# Allegro board SG2042_EVB_V1_1.brd (continued)
## Routing (per net, layer and track width the routed paths; a pad name or vN(x,y) marks a point on that pad's centre or on a via; arc(x,y) is an arc through that point) (continued)
DDR2_ECC_DQ0: length 69.9
  TOP w0.16: U1.AV4 v1(112.97,96.15)
  BOTTOM w0.089: 88.87,123.7 89.02,123.56 89.21,123.56 99.37,113.4 99.37,102.49 104.62,97.23 109.25,97.23 109.7,96.77 112.35,96.77 v1(112.97,96.15)
  BOTTOM w0.16: 88.87,123.7 86.49,126.09 86.49,127 84.38,129.11 81.54,129.11 81.27,128.83 80.98,128.83 arc(80.72,128.88) 80.5,129.03 80.08,129.45 arc(79.82,129.62) 79.52,129.68 78.97,129.68 arc(78.67,129.62) 78.41,129.45 78.03,129.07 arc(77.77,128.89) 77.46,128.83 77.18,128.83 arc(76.92,128.88) 76.7,129.03 76.28,129.45 arc(76.02,129.62) 75.72,129.68 74.13,129.68 arc(73.82,129.62) 73.56,129.45 73.3,129.19 arc(73.04,129.02) 72.74,128.96 72.45,128.96 arc(72.28,128.92) 72.14,128.82 72.11,128.8 arc(71.97,128.71) 71.8,128.67 71.54,128.67 arc(71.23,128.61) 70.98,128.44 70.59,128.06 arc(70.33,127.88) 70.03,127.82 69.64,127.82 arc(69.33,127.88) 69.08,128.06 68.69,128.44 arc(68.43,128.61) 68.13,128.67 J3.49
DDR2_ECC_DQ1: length 63.1
  TOP w0.16: U1.AV2 v1(110.97,96.15)
  BOTTOM w0.114: v1(110.97,96.15) 110.59,96.53 109.54,96.53 109.21,96.86 104.47,96.86 99,102.33 99,113.25 89.06,123.19 88.36,123.19
  BOTTOM w0.16: 88.36,123.19 85.53,126.02 85.53,126.25 85.77,126.48 85.77,126.7 85.48,126.99 85.26,126.99 85.02,126.75 84.8,126.75 84.51,127.04 84.51,127.26 84.75,127.5 84.75,127.72 84.46,128.01 84.24,128.01 84.01,127.77 83.78,127.77 83.24,128.31 81.47,128.31 81.27,128.51 80.85,128.51 arc(80.54,128.57) 80.28,128.75 79.87,129.16 arc(79.65,129.31) 79.39,129.36 79.11,129.36 arc(78.8,129.3) 78.54,129.13 78.16,128.75 arc(77.9,128.57) 77.59,128.51 77.05,128.51 arc(76.74,128.57) 76.48,128.75 76.07,129.16 arc(75.85,129.31) 75.59,129.36 74.7,129.36 arc(74.39,129.3) 74.13,129.13 73.33,128.33 arc(73.07,128.15) 72.77,128.09 72.24,128.09 arc(71.88,128.02) J3.194
DDR2_ECC_DQ2: length 64
  TOP w0.16: U1.BA2 v1(110.97,93.15)
  BOTTOM w0.089: 93.22,111.91 93.46,111.91 95.55,109.83 95.55,100.6 102.95,93.2 108.95,93.2 109.27,93.52 110.6,93.52 v1(110.97,93.15)
  BOTTOM w0.16: 93.22,111.91 93.01,112.12 91.5,112.12 83.99,119.63 83.99,121.14 82.83,122.3 81.6,122.3 81.33,122.03 80.94,122.03 arc(80.72,122.08) 80.52,122.2 80.08,122.65 arc(79.82,122.82) 79.52,122.88 78.97,122.88 arc(78.67,122.82) 78.41,122.65 78.03,122.27 arc(77.77,122.09) 77.46,122.03 77.18,122.03 arc(76.92,122.08) 76.7,122.23 76.28,122.65 arc(76.02,122.82) 75.72,122.88 73.94,122.88 arc(73.63,122.82) 73.37,122.65 72.99,122.27 arc(72.73,122.09) 72.43,122.03 71.43,122.03 arc(71.12,122.09) 70.86,122.27 70.64,122.49 arc(70.38,122.66) 70.08,122.72 J3.56
DDR2_ECC_DQ3: length 61.1
  TOP w0.16: U1.BA1 v1(109.97,93.15)
  BOTTOM w0.114: v1(109.97,93.15) 109.3,93.15 108.98,92.83 102.8,92.83 95.18,100.45 95.18,109.68 93.45,111.4 92.71,111.4
  BOTTOM w0.16: J3.201 70.08,121.78 arc(70.15,121.73) 70.24,121.71 73.2,121.71 arc(73.5,121.77) 73.76,121.95 74.14,122.33 arc(74.4,122.5) 74.71,122.56 75.59,122.56 arc(75.85,122.51) 76.07,122.36 76.48,121.95 arc(76.74,121.77) 77.05,121.71 77.59,121.71 arc(77.9,121.77) 78.16,121.95 78.54,122.33 arc(78.8,122.5) 79.11,122.56 79.39,122.56 arc(79.65,122.51) 79.87,122.36 80.28,121.95 arc(80.54,121.77) 80.85,121.71 81.27,121.71 81.49,121.49 82.63,121.49 83.27,120.84 83.27,119.34 89.96,112.65 89.96,112.42 89.76,112.22 89.76,112 90.04,111.71 90.26,111.71 90.47,111.92 90.69,111.92 91.2,111.4 92.71,111.4
DDR2_ECC_DQ4: length 71.7
  TOP w0.16: U1.AU3 v1(111.97,97.15)
  BOTTOM w0.114: v1(111.97,97.15) 111.37,97.75 109.05,97.75 108.85,97.95 104.93,97.95 100.09,102.79 100.09,113.7 89.89,123.9 89.89,124.72
  BOTTOM w0.16: 89.89,124.72 89.89,127.13 86.29,130.73 83.4,130.73 83.24,130.89 83.24,131.34 83.08,131.5 82.68,131.5 82.52,131.34 82.52,130.89 82.36,130.73 81.47,130.73 81.27,130.53 80.98,130.53 arc(80.72,130.58) 80.5,130.73 80.08,131.15 arc(79.82,131.32) 79.52,131.38 78.97,131.38 arc(78.67,131.32) 78.41,131.15 78.03,130.77 arc(77.77,130.59) 77.46,130.53 77.18,130.53 arc(76.92,130.58) 76.7,130.73 76.28,131.15 arc(76.02,131.32) 75.72,131.38 74.11,131.38 arc(73.8,131.32) 73.54,131.15 73,130.61 arc(72.74,130.43) 72.43,130.37 71.54,130.37 arc(71.23,130.31) 70.98,130.14 70.59,129.76 arc(70.33,129.58) 70.03,129.52 69.64,129.52 arc(69.34,129.58) 69.08,129.76 68.69,130.14 arc(68.43,130.31) 68.13,130.37 J3.47
DDR2_ECC_DQ5: length 70.3
  TOP w0.16: U1.AU2 v1(110.97,97.15)
  BOTTOM w0.089: v1(110.97,97.15) 110.6,97.52 108.88,97.52 108.81,97.59 104.77,97.59 99.73,102.63 99.73,113.55 89.38,123.89 89.38,124.21
  BOTTOM w0.16: 89.38,124.21 88.25,125.34 88.25,125.57 89.13,126.44 89.13,126.67 88.85,126.95 88.62,126.95 87.74,126.07 87.52,126.07 87.23,126.36 87.23,126.58 88.21,127.56 88.21,127.79 87.93,128.07 87.7,128.07 87.18,127.55 86.96,127.55 86.67,127.84 86.67,128.06 87.19,128.58 87.19,128.81 86.91,129.09 86.68,129.09 86.16,128.57 85.94,128.57 85.65,128.85 85.65,129.08 86.07,129.5 86.07,129.73 85.79,130.01 85.56,130.01 85.14,129.59 84.92,129.59 84.5,130.01 81.47,130.01 81.27,130.21 80.85,130.21 arc(80.54,130.27) 80.28,130.45 79.87,130.86 arc(79.65,131.01) 79.39,131.06 79.11,131.06 arc(78.8,131) 78.54,130.83 78.16,130.45 arc(77.9,130.27) 77.59,130.21 77.05,130.21 arc(76.74,130.27) 76.48,130.45 76.07,130.86 arc(75.85,131.01) 75.59,131.06 74.65,131.06 arc(74.34,131) 74.08,130.83 73.31,130.05 arc(73.05,129.88) 72.74,129.82 72.3,129.82 arc(71.91,129.74) 71.59,129.52 J3.192
DDR2_ECC_DQ6: length 68
  TOP w0.16: U1.AY1 v1(109.97,94.15)
  BOTTOM w0.114: v1(109.97,94.15) 109.11,94.15 108.88,93.92 103.25,93.92 96.27,100.9 96.27,110.13 94.24,112.16 94.24,112.93
  BOTTOM w0.16: 94.24,112.93 88.75,118.42 88.53,118.42 88,117.89 87.78,117.89 87.49,118.17 87.49,118.4 88.02,118.93 88.02,119.15 87.74,119.43 87.51,119.43 86.98,118.91 86.76,118.91 86.47,119.19 86.47,119.42 87,119.94 87,120.17 86.72,120.45 86.49,120.45 85.96,119.93 85.74,119.93 85.45,120.21 85.45,120.44 85.98,120.96 85.98,121.19 83.26,123.91 81.51,123.91 81.33,123.73 80.93,123.73 arc(80.71,123.77) 80.53,123.9 80.08,124.35 arc(79.82,124.52) 79.52,124.58 78.97,124.58 arc(78.67,124.52) 78.41,124.35 78.03,123.97 arc(77.77,123.79) 77.46,123.73 77.18,123.73 arc(76.92,123.78) 76.7,123.93 76.28,124.35 arc(76.02,124.52) 75.72,124.58 73.96,124.58 arc(73.66,124.52) 73.4,124.35 73.02,123.97 arc(72.76,123.79) 72.45,123.73 71.39,123.73 arc(71.08,123.79) 70.82,123.97 70.6,124.19 arc(70.34,124.36) 70.04,124.42 J3.54
DDR2_ECC_DQ7: length 70.5
  TOP w0.16: U1.BA4 v1(112.97,93.15)
  BOTTOM w0.089: v1(112.97,93.15) 112.35,93.77 109.14,93.77 108.92,93.55 103.1,93.55 95.9,100.75 95.9,109.98 93.73,112.15 93.73,112.42
  BOTTOM w0.16: J3.199 70.08,123.48 arc(70.15,123.43) 70.24,123.41 73.19,123.41 arc(73.5,123.47) 73.76,123.65 74.14,124.03 arc(74.4,124.2) 74.71,124.26 75.59,124.26 arc(75.85,124.21) 76.07,124.06 76.48,123.65 arc(76.74,123.47) 77.05,123.41 77.59,123.41 arc(77.9,123.47) 78.16,123.65 78.54,124.03 arc(78.8,124.2) 79.11,124.26 79.39,124.26 arc(79.65,124.21) 79.87,124.06 80.28,123.65 arc(80.54,123.47) 80.85,123.41 81.27,123.41 81.49,123.19 82.97,123.19 84.71,121.44 84.71,119.93 87.83,116.82 88.05,116.82 88.53,117.29 88.75,117.29 89.03,117.01 89.03,116.78 88.56,116.31 88.56,116.08 88.84,115.8 89.07,115.8 89.54,116.28 89.77,116.28 90.05,115.99 90.05,115.77 89.58,115.29 89.58,115.07 89.86,114.78 90.09,114.78 90.56,115.26 90.79,115.26 91.07,114.97 91.07,114.75 90.6,114.27 90.6,114.05 90.88,113.76 91.11,113.76 91.58,114.24 91.81,114.24 92.09,113.95 92.09,113.73 91.62,113.26 91.62,113.03 91.8,112.84 93.31,112.84 93.73,112.42
DDR2_ECC_DQS_N: length 61.9
  TOP w0.14: U1.AW1 v1(109.97,95.15)
  BOTTOM w0.109: v1(109.97,95.15) 110.43,95.15 110.55,95.03 110.55,94.86 110.44,94.75 109.29,94.75 109.09,94.95 107.64,94.95 107.58,95.01 107.55,95.01
  BOTTOM w0.14: 107.55,95.01 103.7,95.01 97.29,101.42 97.29,111.58 83.43,125.44 80.97,125.44 arc(80.7,125.49) 80.47,125.64 80.13,125.98 arc(79.8,126.2) 79.41,126.28 79,126.28 arc(78.6,126.2) 78.27,125.98 77.93,125.64 arc(77.7,125.49) 77.44,125.44 77.15,125.44 arc(76.89,125.49) 76.66,125.64 76.31,125.99 arc(75.98,126.21) 75.59,126.29 74.37,126.29 arc(73.97,126.21) 73.64,125.99 73.3,125.64 arc(73.07,125.49) 72.8,125.44 71.12,125.44 arc(71.03,125.46) 70.97,125.53 70.96,125.54 arc(70.95,125.71) 71.06,125.84 J3.196
DDR2_ECC_DQS_P: length 61.8
  TOP w0.14: U1.AW2 v1(110.97,95.15)
  BOTTOM w0.109: 107.55,94.68 107.58,94.68 107.64,94.74 109,94.74 109.2,94.54 110.53,94.54 110.76,94.77 110.76,94.93 v1(110.97,95.15)
  BOTTOM w0.14: J3.197 70.71,125.14 arc(70.91,125.12) 71.12,125.11 72.8,125.11 arc(73.19,125.18) 73.53,125.41 73.87,125.75 arc(74.1,125.91) 74.37,125.96 75.59,125.96 arc(75.85,125.91) 76.08,125.75 76.43,125.41 arc(76.76,125.18) 77.15,125.11 77.44,125.11 arc(77.83,125.18) 78.16,125.41 78.5,125.75 arc(78.73,125.9) 79,125.95 79.41,125.95 arc(79.67,125.9) 79.9,125.75 80.24,125.41 arc(80.57,125.19) 80.97,125.11 83.29,125.11 96.96,111.44 96.96,101.29 103.57,94.68 107.55,94.68
DDR2_EVENT_N: length 93.1
  TOP w0.102: J3.78 64.38,98.92 R9.1 64.36,98.35 v1(64.39,98.32) ; R2388.2 v1(26.72,154.79)
  ART03 w0.102: v1(36.78,98.93) 37.11,99.26 63.45,99.26 v1(64.39,98.32)
  ART10 w0.102: v1(26.72,154.79) 27.51,154 27.51,133.83 36.8,124.54 36.8,100.36 37.16,100 37.16,99.31 v1(36.78,98.93)
DDR2_EVENT_N_L: length 12.5
  TOP w0.102: R599.2 v1(10.08,158.32) ; U2010.4 v1(19.11,154.57)
  ART03 w0.102: v1(10.08,158.32) 15.6,158.32 19.11,154.8 v1(19.11,154.57)
DDR2_MA0: length 57
  TOP w0.16: U1.BD5 v1(113.97,90.15)
  ART03 w0.089: 106.97,87.54 107.53,87.54 109.73,89.74 113.57,89.74 v1(113.97,90.15)
  ART03 w0.168: J3.79 68.11,98.07 arc(68.43,98.01) 68.71,97.83 69.06,97.47 arc(69.34,97.29) 69.66,97.22 70.01,97.22 arc(70.33,97.29) 70.61,97.47 70.96,97.83 arc(71.24,98.01) 71.56,98.07 72.81,98.07 arc(73.13,98.01) 73.4,97.83 73.76,97.47 arc(74.04,97.29) 74.36,97.22 75.61,97.22 arc(75.93,97.29) 76.2,97.47 76.56,97.83 arc(76.83,98.01) 77.15,98.07 77.51,98.07 arc(77.83,98.01) 78.1,97.83 78.46,97.47 arc(78.73,97.29) 79.06,97.22 79.41,97.22 arc(79.73,97.29) 80,97.47 80.36,97.83 arc(80.63,98.01) 80.95,98.07 83.33,98.07 85.47,95.93 86.98,95.93 87.31,95.6 87.31,95.36 86.94,94.99 86.94,94.75 87.21,94.47 87.45,94.47 87.83,94.85 88.06,94.85 95.37,87.54 106.97,87.54
DDR2_MA1: length 57.6
  TOP w0.16: U1.BC6 v1(114.97,91.15)
  ART03 w0.089: 106.97,90.7 107.03,90.7 108.88,92.55 114.28,92.55 114.47,92.36 114.47,91.65 v1(114.97,91.15)
  ART03 w0.168: 106.97,90.7 96.68,90.7 82.5,104.88 80.95,104.88 arc(80.63,104.94) 80.36,105.12 80,105.48 arc(79.73,105.66) 79.41,105.72 79.06,105.72 arc(78.73,105.79) 78.46,105.97 78.1,106.33 arc(77.83,106.51) 77.51,106.57 77.16,106.57 arc(76.83,106.64) 76.56,106.82 76.18,107.2 arc(75.93,107.36) 75.65,107.42 75.62,107.42 arc(75.33,107.48) 75.09,107.64 73,109.73 arc(72.73,109.91) 72.41,109.97 71.56,109.97 arc(71.24,109.91) 70.96,109.73 70.61,109.37 arc(70.33,109.19) 70.01,109.12 J3.72
DDR2_MA2: length 56.8
  TOP w0.16: U1.BE5 v1(113.97,89.15)
  BOTTOM w0.089: v1(113.97,89.15) U1.BE5 114.47,90.25 114.2,90.52 109.8,90.52 109.04,89.76 98.21,89.76 98.09,89.88
  BOTTOM w0.16: 98.09,89.88 90.1,97.87 87.99,97.87 83.16,102.7 83.16,106.83 81.72,108.27 80.94,108.27 arc(80.63,108.33) 80.37,108.51 79.99,108.89 arc(79.73,109.06) 79.43,109.12 79.04,109.12 arc(78.73,109.06) 78.47,108.89 78.09,108.51 arc(77.83,108.33) 77.53,108.27 77.14,108.27 arc(76.83,108.33) 76.57,108.51 76.19,108.89 arc(75.93,109.06) 75.63,109.12 74.85,109.12 arc(74.55,109.06) 74.29,108.89 73.94,108.54 arc(73.68,108.37) 73.37,108.31 72.73,108.31 arc(72.43,108.37) 72.17,108.54 J3.216
DDR2_MA3: length 62.8
  TOP w0.16: U1.BD6 v1(114.97,90.15)
  BOTTOM w0.089: 98.64,90.23 98.76,90.11 108.96,90.11 109.62,90.77 114.35,90.77 v1(114.97,90.15)
  BOTTOM w0.16: J3.71 68.13,109.97 arc(68.43,109.91) 68.69,109.74 69.08,109.36 arc(69.34,109.18) 69.64,109.12 69.9,109.12 arc(70.21,109.18) 70.47,109.36 70.85,109.74 arc(71.11,109.91) 71.42,109.97 72.83,109.97 arc(73.13,110.03) 73.39,110.21 73.77,110.59 arc(74.03,110.76) 74.34,110.82 75.63,110.82 arc(75.93,110.76) 76.19,110.59 76.57,110.21 arc(76.83,110.03) 77.14,109.97 77.53,109.97 arc(77.83,110.03) 78.09,110.21 78.47,110.59 arc(78.73,110.76) 79.04,110.82 79.43,110.82 arc(79.73,110.76) 79.99,110.59 80.34,110.24 arc(80.6,110.07) 80.9,110.01 81.68,110.01 83.8,107.89 83.8,102.97 88.26,98.51 90.36,98.51 98.64,90.23
DDR2_MA4: length 59.3
  TOP w0.16: U1.BA6 v1(114.97,93.15)
  ART03 w0.089: 106.97,91.2 107.26,91.2 108.8,92.74 114.57,92.74 v1(114.97,93.15)
  ART03 w0.168: 106.97,91.2 96.89,91.2 93.31,94.78 93.31,95.02 93.73,95.44 93.73,95.68 93.44,95.97 93.2,95.97 92.77,95.55 92.54,95.55 92.24,95.85 92.24,96.08 92.66,96.51 92.66,96.74 92.37,97.04 92.13,97.04 91.71,96.62 91.47,96.62 91.17,96.91 91.17,97.15 91.6,97.57 91.6,97.81 91.3,98.11 91.06,98.11 90.64,97.68 90.4,97.68 90.11,97.98 90.11,98.22 90.53,98.64 90.53,98.88 90.23,99.17 90,99.17 89.57,98.75 89.34,98.75 82.96,105.13 82.96,105.36 83.09,105.5 83.09,105.73 82.81,106.01 82.58,106.01 82.44,105.88 82.21,105.88 81.53,106.55 80.97,106.55 arc(80.65,106.62) 80.38,106.8 80,107.18 arc(79.73,107.36) 79.41,107.42 79.05,107.42 arc(78.73,107.49) 78.46,107.67 78.1,108.03 arc(77.83,108.21) 77.51,108.27 77.15,108.27 arc(76.83,108.34) 76.56,108.52 76.2,108.88 arc(75.93,109.06) 75.61,109.12 74.89,109.12 arc(74.57,109.19) 74.3,109.37 73.09,110.58 arc(72.82,110.76) 72.5,110.82 J3.214
DDR2_MA5: length 61
  TOP w0.16: U1.AY7 v1(115.97,94.15)
  ART03 w0.089: v1(115.97,94.15) 115.38,93.55 108.91,93.55 107.06,91.7 106.97,91.7
  ART03 w0.168: 106.97,91.7 98.44,91.7 97.65,92.5 97.41,92.5 97.13,92.21 96.89,92.21 96.59,92.51 96.59,92.75 96.88,93.03 96.88,93.27 96.58,93.57 96.34,93.57 96.06,93.28 95.82,93.28 95.52,93.58 95.52,93.82 95.81,94.1 95.81,94.34 95.51,94.63 95.27,94.63 94.99,94.35 94.75,94.35 94.46,94.65 94.46,94.88 94.74,95.17 94.74,95.4 90.47,99.68 89.17,99.68 85.25,103.59 85.25,104.54 83.81,105.98 83.81,106.21 83.98,106.38 83.98,106.62 83.71,106.9 83.47,106.9 83.3,106.73 83.06,106.73 82.78,107 82.78,107.24 82.95,107.41 82.95,107.65 82.68,107.93 82.44,107.93 82.27,107.76 82.03,107.76 81.52,108.27 80.96,108.27 arc(80.63,108.34) 80.36,108.52 80,108.88 arc(79.73,109.06) 79.41,109.12 79.08,109.12 arc(78.76,109.19) 78.49,109.37 78.13,109.73 arc(77.86,109.91) 77.54,109.97 77.24,109.97 arc(76.92,110.04) 76.65,110.22 76.24,110.63 arc(75.97,110.81) 75.65,110.87 74.16,110.87 arc(73.84,110.93) 73.57,111.12 73.26,111.43 arc(72.99,111.61) 72.66,111.67 J3.213
DDR2_MA6: length 60.4
  TOP w0.16: U1.BC1 109.47,91.65 v1(108.97,91.15)
  BOTTOM w0.089: 99.74,90.94 99.86,90.82 108.65,90.82 v1(108.97,91.15)
  BOTTOM w0.16: 99.74,90.94 90.89,99.79 88.79,99.79 85.08,103.5 85.08,110.01 81.72,113.37 80.94,113.37 arc(80.63,113.43) 80.37,113.61 79.99,113.99 arc(79.73,114.16) 79.43,114.22 79.04,114.22 arc(78.73,114.16) 78.47,113.99 78.09,113.61 arc(77.83,113.43) 77.53,113.37 77.14,113.37 arc(76.83,113.43) 76.57,113.61 76.19,113.99 arc(75.93,114.16) 75.63,114.22 74.34,114.22 arc(74.03,114.16) 73.77,113.99 73.39,113.61 arc(73.13,113.43) 72.83,113.37 71.54,113.37 arc(71.23,113.31) 70.97,113.14 70.59,112.76 arc(70.33,112.58) 70.03,112.52 69.64,112.52 arc(69.34,112.58) 69.08,112.76 68.69,113.14 arc(68.43,113.31) 68.13,113.37 67.74,113.37 arc(67.43,113.31) 67.18,113.14 66.34,112.3 arc(66.23,112.13) 66.18,111.93 J3.69
DDR2_MA7: length 59.9
  TOP w0.16: U1.AY6 v1(114.97,94.15)
  ART03 w0.089: 106.97,92.21 107.29,92.21 108.83,93.74 114.57,93.74 v1(114.97,94.15)
  ART03 w0.168: 106.97,92.21 98.65,92.21 90.67,100.18 89.38,100.18 85.76,103.8 85.76,105.73 84.73,106.76 84.73,107 85.07,107.35 85.07,107.59 84.8,107.86 84.56,107.86 84.21,107.52 83.97,107.52 83.7,107.79 83.7,108.03 84.04,108.38 84.04,108.61 83.77,108.89 83.53,108.89 83.18,108.55 82.94,108.55 82.67,108.82 82.67,109.06 83.01,109.41 83.01,109.64 82.74,109.92 82.5,109.92 82.15,109.57 81.92,109.57 81.52,109.97 80.95,109.97 arc(80.63,110.04) 80.36,110.22 80,110.58 arc(79.73,110.76) 79.41,110.82 79.05,110.82 arc(78.73,110.89) 78.46,111.07 78.1,111.43 arc(77.83,111.61) 77.51,111.67 77.15,111.67 arc(76.83,111.74) 76.56,111.92 76.2,112.28 arc(75.93,112.46) 75.61,112.52 74.36,112.52 arc(74.04,112.59) 73.76,112.77 73.56,112.97 arc(73.29,113.15) 72.97,113.21 70.36,113.21 arc(70.16,113.26) 69.99,113.37 J3.211
DDR2_MA8: length 63.7
  TOP w0.16: U1.BC7 v1(115.97,91.15)
  BOTTOM w0.089: v1(115.97,91.15) 115.6,91.52 110.77,91.52 110.39,91.14 109.58,91.14 108.91,90.47 99.31,90.47 99.19,90.59
  BOTTOM w0.16: J3.68 69.25,111.06 arc(69.51,110.88) 69.82,110.82 70.03,110.82 arc(70.33,110.88) 70.59,111.06 70.98,111.44 arc(71.23,111.61) 71.54,111.67 72.83,111.67 arc(73.13,111.73) 73.39,111.91 73.77,112.29 arc(74.03,112.46) 74.34,112.52 75.63,112.52 arc(75.93,112.46) 76.19,112.29 76.57,111.91 arc(76.83,111.73) 77.14,111.67 77.53,111.67 arc(77.83,111.73) 78.09,111.91 78.47,112.29 arc(78.73,112.46) 79.04,112.52 79.43,112.52 arc(79.73,112.46) 79.99,112.29 80.37,111.91 arc(80.63,111.73) 80.94,111.67 81.72,111.67 84.44,108.95 84.44,103.23 88.52,99.15 90.63,99.15 99.19,90.59
DDR2_MA9: length 61
  TOP w0.16: U1.AW7 v1(115.97,95.15)
  ART03 w0.089: v1(115.97,95.15) 115.38,94.55 108.93,94.55 107.09,92.71 106.97,92.71
  ART03 w0.168: J3.66 70.01,114.22 arc(70.33,114.16) 70.61,113.98 70.81,113.77 arc(71.08,113.59) 71.4,113.53 72.97,113.53 arc(73.29,113.59) 73.56,113.77 73.76,113.98 arc(74.04,114.16) 74.36,114.22 75.61,114.22 arc(75.93,114.16) 76.2,113.98 76.56,113.62 arc(76.83,113.44) 77.16,113.37 77.51,113.37 arc(77.83,113.31) 78.1,113.13 78.46,112.77 arc(78.73,112.59) 79.06,112.52 79.41,112.52 arc(79.73,112.46) 80,112.28 80.35,111.93 arc(80.62,111.75) 80.94,111.68 81.89,111.68 86.26,107.31 86.26,104.01 89.59,100.68 90.88,100.68 98.86,92.71 106.97,92.71
DDR2_MA10: length 58.1
  TOP w0.16: U1.BE7 v1(115.97,89.15)
  ART03 w0.089: 106.97,87.04 107.29,87.04 109.81,89.55 115.57,89.55 v1(115.97,89.15)
  ART03 w0.168: J3.225 69.99,96.37 72.81,96.37 arc(73.13,96.31) 73.4,96.13 73.76,95.77 arc(74.04,95.59) 74.36,95.52 75.61,95.52 arc(75.93,95.59) 76.2,95.77 76.56,96.13 arc(76.83,96.31) 77.15,96.37 77.51,96.37 arc(77.83,96.31) 78.1,96.13 78.46,95.77 arc(78.73,95.59) 79.05,95.52 79.41,95.52 arc(79.73,95.59) 80,95.77 80.36,96.13 arc(80.63,96.31) 80.95,96.37 84.32,96.37 86.9,93.79 88.41,93.79 88.8,93.39 88.8,93.16 88.44,92.8 88.44,92.56 88.72,92.28 88.96,92.28 89.32,92.64 89.56,92.64 89.83,92.36 89.83,92.13 89.47,91.77 89.47,91.53 89.75,91.25 89.99,91.25 90.35,91.61 90.59,91.61 90.86,91.34 90.86,91.1 90.5,90.74 90.5,90.5 90.78,90.22 91.02,90.22 91.38,90.58 91.61,90.58 91.89,90.31 91.89,90.07 91.53,89.71 91.53,89.47 91.81,89.19 92.04,89.19 92.41,89.55 92.64,89.55 95.16,87.04 106.97,87.04
DDR2_MA11: length 59.7
  TOP w0.16: U1.AW5 v1(113.97,95.15)
  ART03 w0.089: v1(113.97,95.15) 113.57,94.74 108.85,94.74 107.32,93.21 106.97,93.21
  ART03 w0.168: J3.210 71.59,114.22 arc(72.25,114.35) 72.82,114.73 73.72,115.63 arc(73.99,115.81) 74.31,115.87 75.66,115.87 arc(75.98,115.81) 76.25,115.63 76.6,115.28 arc(76.87,115.1) 77.19,115.04 77.55,115.04 arc(77.87,114.97) 78.14,114.79 78.46,114.47 arc(78.73,114.29) 79.05,114.22 79.41,114.22 arc(79.73,114.16) 80,113.98 80.36,113.62 arc(80.63,113.44) 80.96,113.37 81.52,113.37 81.97,112.92 82.21,112.92 82.56,113.27 82.79,113.27 83.07,112.99 83.07,112.76 82.72,112.41 82.72,112.17 83,111.89 83.24,111.89 83.58,112.24 83.82,112.24 84.1,111.96 84.1,111.73 83.75,111.38 83.75,111.14 84.03,110.86 84.27,110.86 84.61,111.21 84.85,111.21 85.13,110.93 85.13,110.7 84.78,110.35 84.78,110.11 86.76,108.13 86.76,104.22 89.79,101.19 91.09,101.19 99.07,93.21 106.97,93.21
DDR2_MA12: length 66.8
  TOP w0.16: U1.BB7 v1(115.97,92.15)
  BOTTOM w0.089: 100.29,91.3 100.41,91.18 108.45,91.18 108.82,91.55 110.37,91.55 110.59,91.77 115.6,91.77 v1(115.97,92.15)
  BOTTOM w0.16: 100.29,91.3 91.16,100.43 89.05,100.43 85.72,103.76 85.72,111.07 81.72,115.07 80.94,115.07 arc(80.63,115.13) 80.37,115.31 79.99,115.69 arc(79.73,115.86) 79.43,115.92 79.04,115.92 arc(78.73,115.86) 78.47,115.69 78.09,115.31 arc(77.83,115.13) 77.53,115.07 77.14,115.07 arc(76.83,115.13) 76.57,115.31 76.19,115.69 arc(75.93,115.86) 75.63,115.92 74.34,115.92 arc(74.03,115.86) 73.77,115.69 73.39,115.31 arc(73.13,115.13) 72.83,115.07 71.54,115.07 arc(71.23,115.01) 70.98,114.84 70.59,114.46 arc(70.33,114.28) 70.03,114.22 69.64,114.22 arc(69.33,114.28) 69.08,114.46 68.69,114.84 arc(68.43,115.01) 68.13,115.07 J3.65
DDR2_MA13: length 55.8
  TOP w0.16: U1.BG6 v1(114.97,87.15)
  ART03 w0.089: 106.97,86.03 107.2,86.03 108.28,87.11 108.28,87.29 109.73,88.74 115.09,88.74 115.49,88.34 115.49,87.67 v1(114.97,87.15)
  ART03 w0.168: 106.97,86.03 91.46,86.03 91.19,86.31 91.19,86.54 91.73,87.08 91.73,87.32 91.45,87.6 91.21,87.6 90.67,87.06 90.44,87.06 90.16,87.34 90.16,87.57 90.7,88.11 90.7,88.35 90.42,88.62 90.18,88.62 89.65,88.09 89.41,88.09 89.13,88.36 89.13,88.6 89.67,89.14 89.67,89.38 89.39,89.65 89.15,89.65 88.62,89.12 88.38,89.12 86.22,91.27 80.95,91.27 arc(80.63,91.21) 80.36,91.03 80,90.67 arc(79.73,90.49) 79.41,90.42 79.06,90.42 arc(78.73,90.49) 78.46,90.67 78.1,91.03 arc(77.83,91.21) 77.51,91.27 77.15,91.27 arc(76.83,91.21) 76.56,91.03 76.2,90.67 arc(75.93,90.49) 75.61,90.42 71.59,90.42 J3.232
DDR2_MA14: length 51.4
  TOP w0.16: U1.BE1 v1(109.97,89.15)
  ART03 w0.089: v1(109.97,89.15) 109.75,89.15 107.47,86.87 107.47,86.83 107.17,86.54 106.97,86.54
  ART03 w0.168: J3.228 75.61,93.82 arc(75.93,93.89) 76.2,94.07 76.56,94.43 arc(76.83,94.61) 77.15,94.67 77.51,94.67 arc(77.83,94.61) 78.1,94.43 78.46,94.07 arc(78.73,93.89) 79.06,93.82 79.41,93.82 arc(79.73,93.89) 80,94.07 80.36,94.43 arc(80.63,94.61) 80.95,94.67 85.31,94.67 85.53,94.45 85.53,94.22 85,93.69 85,93.46 85.28,93.18 85.52,93.18 86.04,93.7 86.28,93.7 86.56,93.42 86.56,93.19 86.03,92.66 86.03,92.43 86.31,92.15 86.55,92.15 87.07,92.67 87.31,92.67 87.59,92.39 87.59,92.16 87.06,91.64 87.06,91.4 87.34,91.12 87.58,91.12 88.1,91.64 88.34,91.64 88.61,91.37 88.61,91.13 88.09,90.61 88.09,90.37 88.37,90.09 88.61,90.09 89.13,90.61 89.37,90.61 93.44,86.54 106.97,86.54
DDR2_MA15: length 51.2
  TOP w0.16: U1.BF3 v1(111.97,88.15)
  BOTTOM w0.089: 94.79,87.74 94.91,87.62 109.52,87.62 109.65,87.76 111.58,87.76 v1(111.97,88.15)
  BOTTOM w0.16: 94.79,87.74 89.57,92.97 84.92,92.97 84.76,93.13 84.76,93.62 84.6,93.78 84.2,93.78 84.04,93.62 84.04,93.13 83.88,92.97 83.48,92.97 83.32,93.13 83.32,93.62 83.16,93.78 82.76,93.78 82.6,93.62 82.6,93.13 82.44,92.97 80.94,92.97 arc(80.63,92.91) 80.37,92.74 79.99,92.36 arc(79.73,92.18) 79.43,92.12 79.04,92.12 arc(78.73,92.18) 78.47,92.36 78.09,92.74 arc(77.83,92.91) 77.53,92.97 77.14,92.97 arc(76.83,92.91) 76.57,92.74 76.19,92.36 arc(75.93,92.18) 75.63,92.12 74.34,92.12 arc(74.03,92.06) 73.77,91.89 73.39,91.51 arc(73.13,91.33) 72.83,91.27 71.54,91.27 arc(71.23,91.33) 70.98,91.51 70.59,91.89 arc(70.33,92.06) 70.03,92.12 J3.86
DDR2_MA16: length 51.9
  TOP w0.16: U1.BE4 v1(112.97,89.15)
  BOTTOM w0.089: 95.89,88.45 96.01,88.33 109.44,88.33 109.63,88.52 112.35,88.52 v1(112.97,89.15)
  BOTTOM w0.16: 95.89,88.45 89.04,95.31 86.93,95.31 85.87,96.37 83.54,96.37 83.38,96.21 83.38,95.87 83.22,95.71 82.82,95.71 82.66,95.87 82.66,96.21 82.5,96.37 80.94,96.37 arc(80.63,96.31) 80.37,96.14 79.99,95.76 arc(79.73,95.58) 79.43,95.52 79.04,95.52 arc(78.73,95.58) 78.47,95.76 78.09,96.14 arc(77.83,96.31) 77.53,96.37 77.14,96.37 arc(76.83,96.31) 76.57,96.14 76.19,95.76 arc(75.93,95.58) 75.63,95.52 74.34,95.52 arc(74.03,95.46) 73.77,95.29 73.39,94.91 arc(73.13,94.73) 72.83,94.67 71.54,94.67 arc(71.24,94.73) 70.98,94.91 70.59,95.29 arc(70.33,95.46) 70.03,95.52 J3.82
DDR2_MA17: length 57.8
  TOP w0.16: U1.BF7 v1(115.97,88.15)
  BOTTOM w0.114: v1(115.97,88.15) 115.47,87.65 115.47,86.92 115.09,86.54 93.28,86.54 93.17,86.65
  BOTTOM w0.16: 93.17,86.65 88.77,91.05 88.27,91.05 88.11,90.89 88.11,89.97 87.95,89.81 87.55,89.81 87.39,89.97 87.39,90.89 87.23,91.05 86.83,91.05 86.67,90.89 86.67,89.97 86.51,89.81 86.11,89.81 85.95,89.97 85.95,90.89 85.79,91.05 85.39,91.05 85.23,90.89 85.23,89.97 85.07,89.81 84.67,89.81 84.51,89.97 84.51,90.89 84.35,91.05 83.92,91.05 82.09,89.22 82.09,88.42 81.53,87.87 80.94,87.87 arc(80.63,87.81) 80.37,87.64 79.99,87.26 arc(79.73,87.08) 79.43,87.02 79.04,87.02 arc(78.73,87.08) 78.47,87.26 78.09,87.64 arc(77.83,87.81) 77.53,87.87 77.14,87.87 arc(76.83,87.81) 76.57,87.64 76.19,87.26 arc(75.93,87.08) 75.63,87.02 73.25,87.02 arc(72.95,87.08) 72.69,87.26 71.84,88.1 arc(71.65,88.38) J3.234
DDR2_ODT0: length 50.8
  TOP w0.16: U1.BG3 v1(111.97,87.15)
  BOTTOM w0.089: v1(111.97,87.15) 111.6,87.52 109.8,87.52 109.54,87.27 94.36,87.27 94.25,87.39
  BOTTOM w0.16: J3.87 68.13,91.27 arc(68.43,91.21) 68.69,91.04 69.08,90.66 arc(69.34,90.48) 69.64,90.42 70.03,90.42 arc(70.33,90.36) 70.59,90.19 70.81,89.97 arc(71.07,89.79) 71.38,89.73 72.99,89.73 arc(73.29,89.79) 73.55,89.97 73.77,90.19 arc(74.03,90.36) 74.34,90.42 75.63,90.42 arc(75.93,90.48) 76.19,90.66 76.57,91.04 arc(76.83,91.21) 77.14,91.27 77.53,91.27 arc(77.83,91.21) 78.09,91.04 78.45,90.68 arc(78.71,90.51) 79.01,90.45 79.45,90.45 arc(79.76,90.51) 80.02,90.68 80.37,91.04 arc(80.63,91.21) 80.94,91.27 81.53,91.27 82.59,92.33 89.3,92.33 94.25,87.39
DDR2_ODT1: length 52.5
  TOP w0.16: U1.BF4 v1(112.97,88.15)
  ART03 w0.089: v1(112.97,88.15) 112.57,88.55 109.81,88.55 108.47,87.21 108.47,87.03 107.47,86.03 107.47,85.82 107.17,85.53 106.97,85.53